# Altium PCB stencil V2.0.PcbDoc (part 1 of 4) (continued)
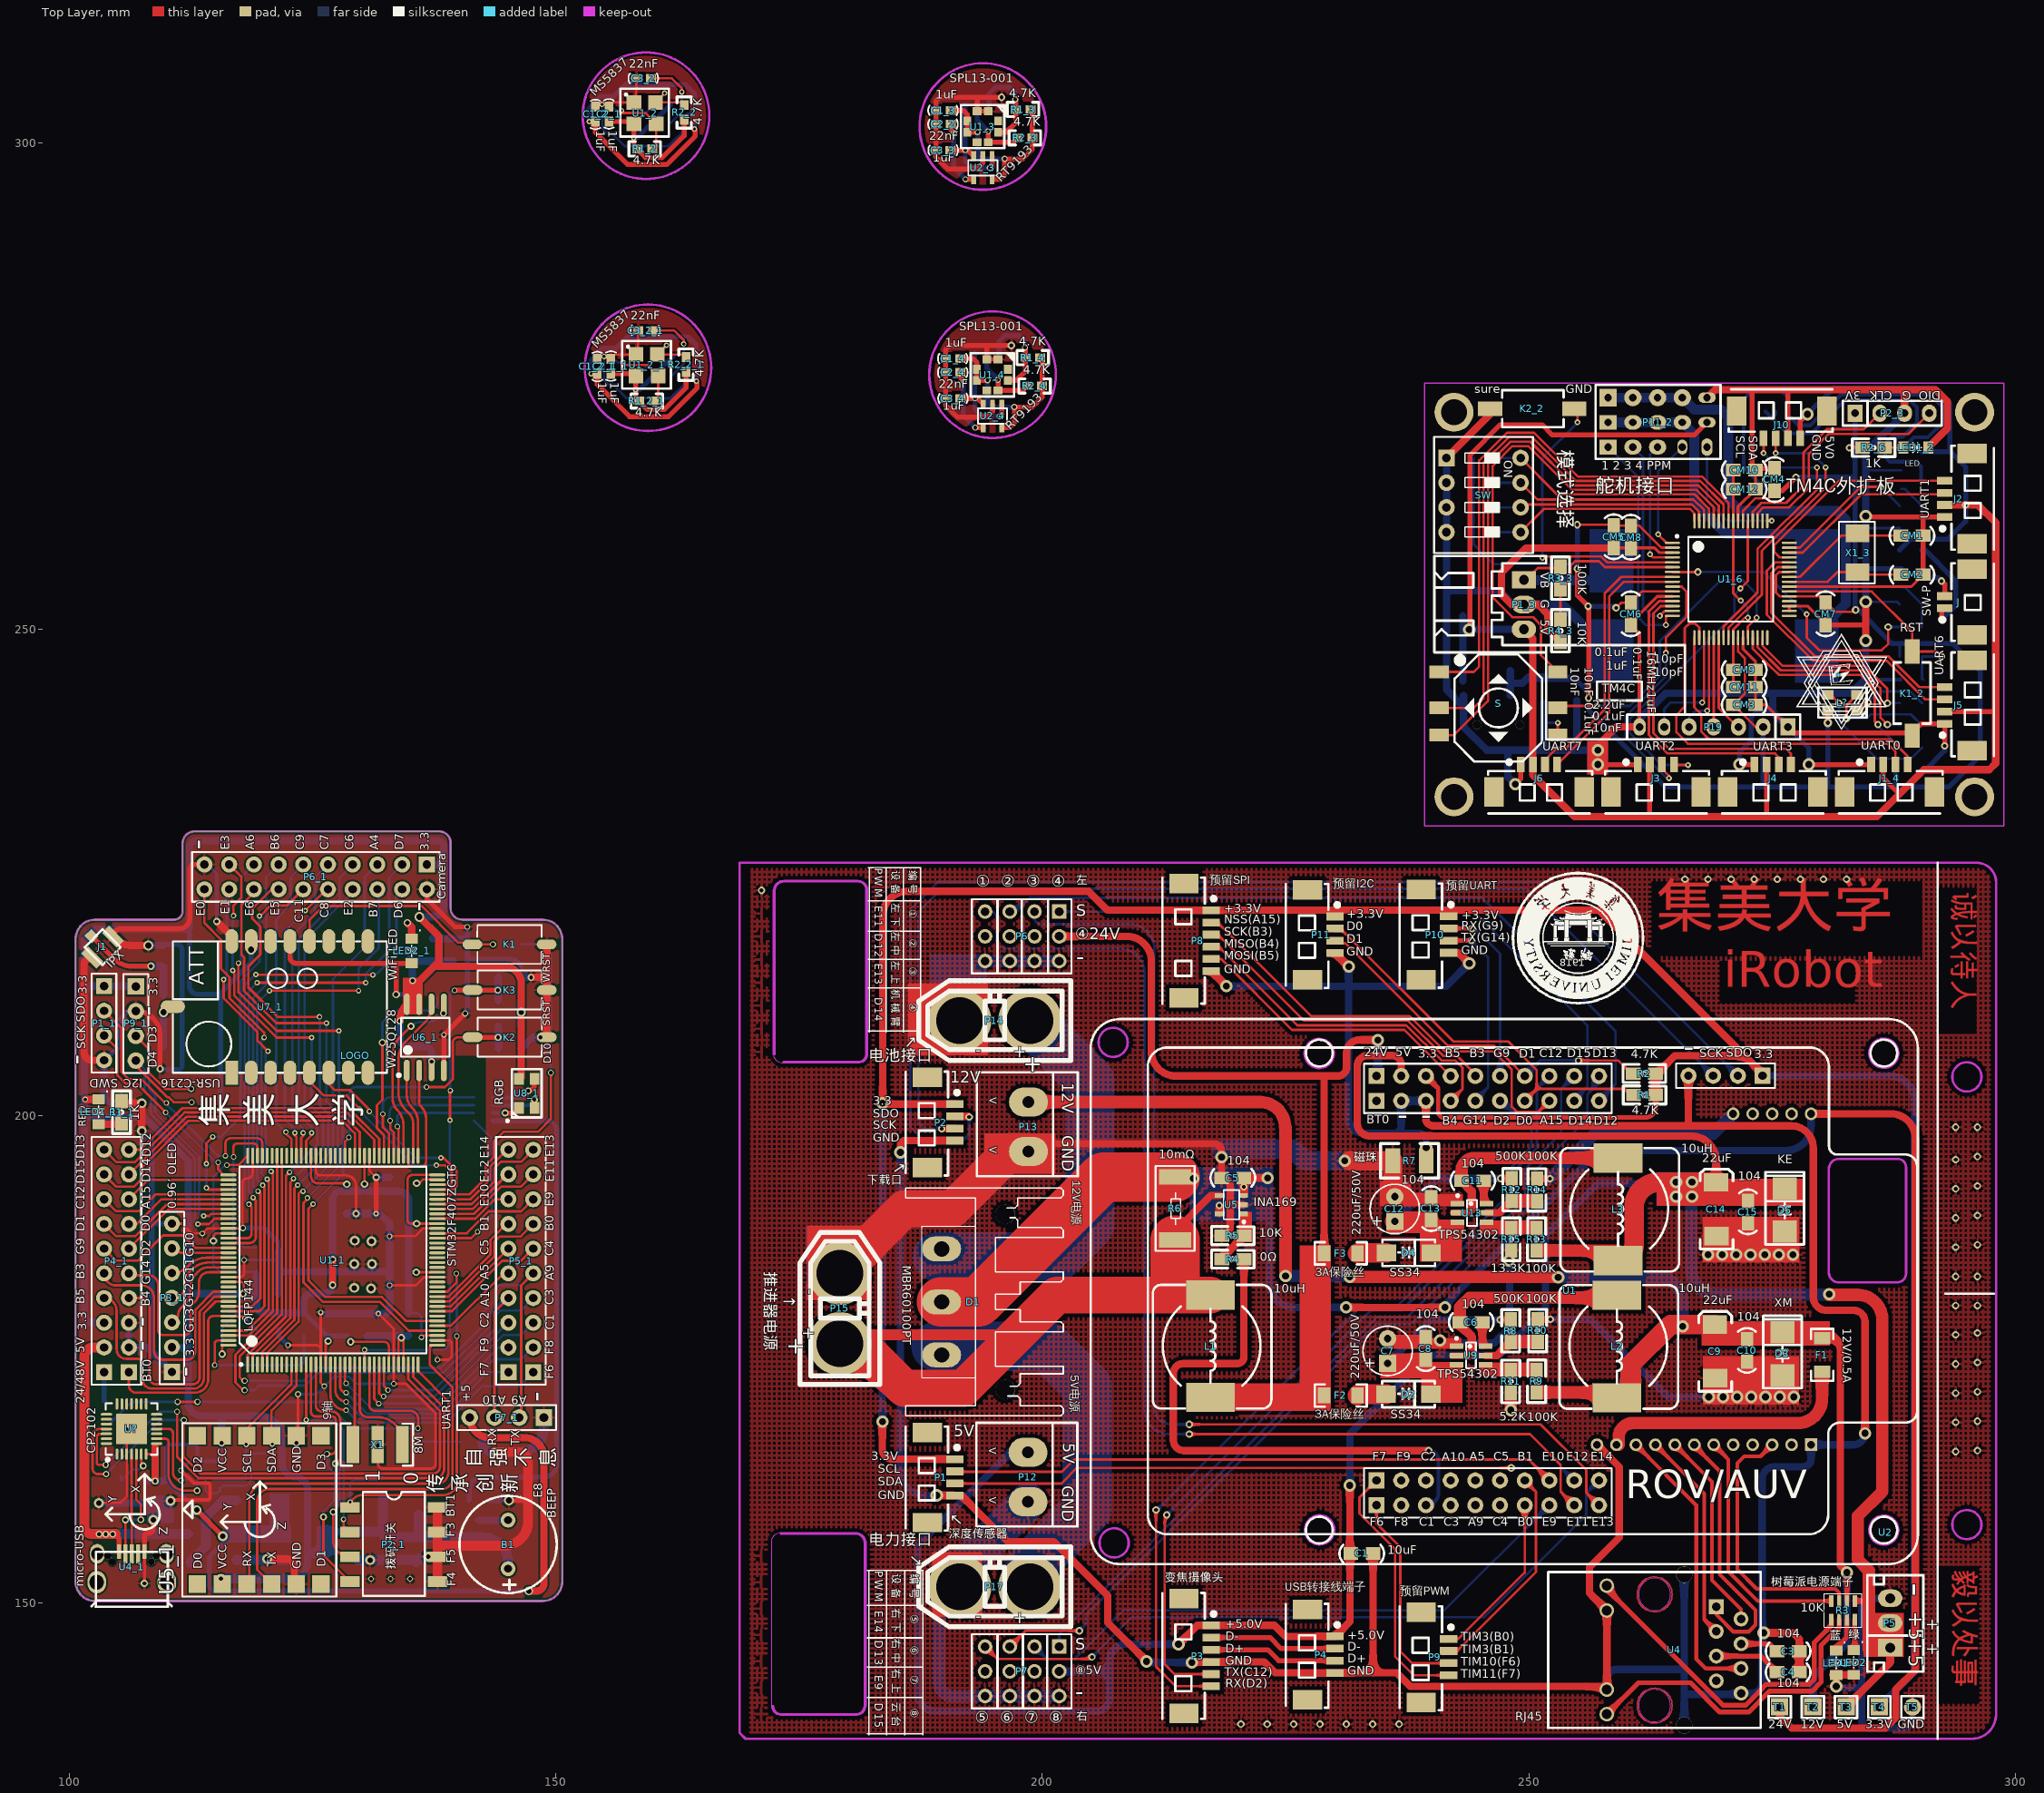
[diagram p0: Top Layer view]
## Components (designator, comment, footprint, x,y, rotation, side; value= is the part's Value field where it differs from the comment) (continued)
R6 "10mΩ" 2512R 213.67,187.274 r90 top
R6_1 "10K" 0805R#1 119.379,178.059 r0 bottom (schematic designator R6)
R6_3 "470R" 0805R#2 290.269,240.141 r180 bottom (schematic designator R6)
R7 "磁珠" 1210R 236.017,195.377 r0 top
R7_1 "10K" 0805R#1 132.264,162.854 r270 bottom (schematic designator R7)
R7_3 "470R" 0805R#2 290.269,242.432 r180 bottom (schematic designator R7)
R8 "500K" 0805R#1 248.157,176.886 r90 top
R8_1 "1K" 排阻(4位贴片) 143.483,201.885 r180 bottom (schematic designator R8)
R9 "100K" 0805R#1 250.773,173.761 r270 top
R9_1 "2M" 0805R#1 103.681,170.541 r270 bottom (schematic designator R9)
R9_3 "10K" 0805R#3 288.088,250.265 r0 bottom (schematic designator R9)
R10 "100K" 0805R#1 250.875,178.968 r270 top
R10_1 "200K" 0805R#1 140.308,166.502 r0 bottom (schematic designator R10)
R10_3 "10K" 0805R#3 288.088,252.56 r0 bottom (schematic designator R10)
R11 "5.2K" 0805R#1 248.157,171.679 r90 top
R11_1 "1K" 0805R#1 144.178,209.29 r0 bottom (schematic designator R11)
R11_3 "100R" 0805R#3 290.374,258.139 r180 bottom (schematic designator R11)
R12 "500K" 0805R#1 248.259,191.389 r90 top
R12_1 "1K" 0805R#1 146.235,211.764 r180 bottom (schematic designator R12)
R12_3 "10K" 0805R#3 246.584,267.588 r180 bottom (schematic designator R12)
R13 "100K" 0805R#1 250.773,188.341 r270 top
R13_1 "0R" 0805R#1 135.66,212.248 r0 bottom (schematic designator R13)
R13_3 "10K" 0805R#3 246.584,265.048 r180 bottom (schematic designator R13)
R14 "100K" 0805R#1 250.799,193.421 r270 top
R14_1 "0R" 0805R#3 144.22,217.633 r0 bottom (schematic designator R14)
R14_2 "10K" 0805R#3 246.584,262.508 r180 bottom (schematic designator R14)
R15 "13.3K" 0805R#1 248.208,186.284 r90 top
R15_1 "10K" 0805R#3 115.569,200.919 r180 bottom (schematic designator R15)
R15_3 "10K" 0805R#3 246.584,259.968 r180 bottom (schematic designator R15)
R16 "10K" 0805R#3 115.594,203.231 r180 bottom
R16_3 "10K" 0805R#3 288.088,262.669 r0 bottom (schematic designator R16)
R17_1 "10K" 0805R#3 288.088,260.375 r0 bottom (schematic designator R17)
R18_1 "100R" 0805R#3 288.088,268.249 r0 bottom (schematic designator R18)
S "5轴按键" 5轴按键 246.889,241.833 r0 top locked
SW "SW4-DIP8" DIP-4P_R 245.34,263.778 r270 top locked
T1 "24V" "HEADER 1"#1 275.895,139.268 r0 top
T2 "12V" "HEADER 1"#1 279.305,139.268 r0 top
T3 "5V" "HEADER 1"#1 282.715,139.268 r0 top
T4 "3.3V" "HEADER 1"#1 286.125,139.268 r0 top
T5 "GND" "HEADER 1"#2 289.535,139.268 r0 top
U0 "TPS7333" SOP-8 243.321,241.934 r0 bottom locked
U1 "ROV/AUV" ROV_CONTROLLER 247.091,183.896 r0 top locked
U1_1 "STM32F407ZGT6" LQFP-144 118.464,176.654 r90 top locked (schematic designator U1)
U1_2 "MS5837" MS5837-02BA 158.135,302.017 r0 top locked (schematic designator U?)
U1_2_1 "MS5837" MS5837-02BA 158.335,276.117 r0 top locked (schematic designator U?)
U1_3 "SPL13-001" SPL13-001 193.938,301.822 r0 top (schematic designator U1)
U1_4 "SPL13-001" SPL13-001 194.938,276.322 r0 top (schematic designator U1)
U1_6 "TM4C" LQFP64 270.74,255.117 r0 top locked (schematic designator U1)
U2 "" "Raspberry Pi 外框" 286.639,157.226 r180 top locked
U2_1 "TPS7333" SOP-8 121.741,153.853 r0 bottom (schematic designator U2)
U2_2 "RT9193" SOT23-5#1 164.231,303.917 r270 bottom (schematic designator U2)
U2_2_1 "RT9193" SOT23-5#1 164.431,278.017 r270 bottom (schematic designator U2)
U2_3 "RT9193" RT9193 194.838,298.596 r0 top (schematic designator U2)
U2_4 "RT9193" RT9193 195.838,273.096 r0 top (schematic designator U2)
U3 "电力载波模块" 电力载波模块6410 289.281,165.151 r90 bottom locked
U4 "RJ45" RJ45 262.89,139.192 r90 top
U4_1 "micro-USB" "Micro-USB (兼容牛角)" 103.148,154.869 r0 top (schematic designator U4)
U5 "INA169" SOT23-5#2 220.681,189.967 r90 top
U5_1 "9轴加速度计模块" 9轴加速度计 112.978,151.745 r90 top (schematic designator U5)
U6_1 "W25Q128" SOW-8 134.787,206.744 r90 top (schematic designator U6)
U7_1 "USR-C216" USR-C216 114.375,207.371 r90 top (schematic designator U7)
U8_1 "RGB" RGB-3528 147.794,203.783 r270 top (schematic designator U8)
U9 "TPS54302" SOT23-6 242.594,176.352 r0 top
U13 "TPS54302" SOT23-6 242.696,191.008 r0 top
U? "CP2102" QFN-28 104.494,165.918 r90 top
X1 "8M" 三脚贴片8M晶振 129.158,166.154 r90 top
X1_3 "16MHz" SMD5032 283.77,257.86 r270 top (schematic designator X1)

## Footprints (in the part's own frame and the unit in brackets; to place one, negate y for a bottom-side part, rotate by r counter-clockwise, add the part's x,y. Pads: shape width x height; smd on the part's side, far side on the other; paste and mask are expansions set on the pad)
5轴按键 [mm]
  rect 2x1.3 smd: 1(-6.128,3.778) 2(-6.128,0.078) 3(-6.128,-2.722) 4(6.072,3.778) 5(6.072,0.078) 6(6.072,-2.722)
  silkscreen extent -4.53,-5.42 4.47,5.58
9轴加速度计 [mil]
  rect 70x70 smd: 1(5.91,-7.81) 2(5.91,-107.81) 3(5.91,-207.81) 4(5.91,-307.81) 5(5.91,-407.81) 6(5.91,-507.81) 7(605.91,-507.81) 8(605.91,-407.81) 9(605.91,-307.81) 10(605.91,-207.81) 11(605.91,-107.81) 12(605.91,-7.81)
  silkscreen extent -44,-570 657,53, body extent -10,-570 622,55, height 87
0603C [mil]
  rect 40x35 smd: 1(-97,-282) 2(-37,-282)
  silkscreen extent -126,-302 -6,-262, body extent -117,-299 -14,-260, height 35
0603R [mil]
  rect 40x35 smd: 1(-2,-1) 2(58,-1)
  silkscreen extent -35,-30 92,28, body extent -5,-17 61,15, height 22
0805C#1 [mil]
  rect 60x50 smd: 1(-5,0) 2(85,0)
  silkscreen extent -50,-35 131,36, body extent -16,-26 102,29, height 37
0805C#2 [mil]
  rect 60x50 smd: 1(-0.71,-0.4) 2(89.29,-0.4)
  silkscreen extent -51,-45 139,45, body extent 6,-25 84,25, height 31
0805LED(GREEN) [mil]
  rect 40x50 smd: 1(-2,-2) 2(98,-2)
  silkscreen extent -36,-22 71,33, body extent 7,-27 87,23, height 43
0805LED(RED) [mil]
  rect 40x50 smd: 1(-2.98,-4.95) 2(97.02,-4.95)
  silkscreen extent -37,-25 70,31, body extent 13,-25 80,11, height 35
0805R#1 [mil]
  rect 60x50 smd: 1(-4.51,1.2) 2(85.49,1.2)
  silkscreen extent -46,-36 126,37, body extent -1,-23 78,26, height 18
0805R#2 [mil]
  rect 60x50 smd: 1(-4.51,-1.2) 2(85.49,-1.2)
  silkscreen extent -46,-37 126,36, body extent -1,-26 78,23, height 18
0805R#3 [mil]
  rect 60x50 smd: 1(0,0) 2(90,0)
  silkscreen extent -50,-45 140,45, body extent 1,-25 80,25, height 15
1206R [mil]
  rect 60x60 smd: 1(-65.9,1.2) 2(69.1,1.2)
  silkscreen extent -107,-49 110,52, body extent -63,-30 63,32, height 24
1210R [mil]
  rect 60x100 smd: 1(0,0) 2(135,0)
  silkscreen extent -50,-70 185,70, body extent -12,-49 146,49, height 67
2512R [mil]
  rect 61x129.92 smd: 1(-1.11,1) 2(253.89,1)
  silkscreen extent -45,-78 298,80, body extent 2,-64 251,62, height 24
BUZZER [mil]
  round 60 hole 32 mask+0: 1(-98.43,0) 2(98.43,0)
  silkscreen extent -197,-197 197,197, body extent -240,-236 233,236, height 354
CDRH124 [mm]
  rect 3x5 smd: 1(-2.469,2.159) 2(8.057,2.159)
  silkscreen extent -3.51,-3.76 9.19,8.43, body extent -3.11,-3.77 8.89,8.23, height 4.55
DIP-4P_R [mm] "11.7*9.9*7mm"
  rect 1.7x1.7 hole 0.9: 1(-3.81,-3.81)
  round 1.7 hole 0.9: 2(-1.27,-3.81) 3(1.27,-3.81) 4(3.81,-3.81) 5(3.81,3.81) 6(1.27,3.81) 7(-1.27,3.81) 8(-3.81,3.81)
  silkscreen extent -5.97,-5.08 5.97,5.08, body extent -5.84,-4.95 5.88,4.95, height 6.65
Fe-HDR1X7/2.54-S [mil]
  rect 70x60 hole 32: 1(0,0)
  oval 70x60 hole 32: 2(0,-100) 3(0,-200) 4(0,-300) 5(0,-400)
  oval 70x50 hole 32: 6(0,-500) 7(0,-600)
  silkscreen extent -50,-650 50,50, body extent -49,-655 49,55, height 126
FUSE-1206 [mil]
  rect 50x65 smd: 1(-1,-2) 2(134,-2)
  silkscreen extent -39,-47 172,43, body extent 1,-36 127,28, height 34
HEADER3*5 [mil]
  rect 60x70 hole 30: 1(2.41,201.12) 6(102.41,201.12)
  oval 60x70 hole 30: 2(2.41,101.12) 3(2.41,1.12) 7(102.41,101.12) 8(102.41,1.12) 9(102.41,-98.88)
  oval 60x40 hole 30: 4(2.41,-98.88)
  oval 70x45 hole 30: 5(2.41,-198.88)
  oval 42x70 hole 30: 10(102.41,-198.88) 15(202.41,-198.88)
  rect 70x70 hole 30: 11(202.41,201.12)
  round 70 hole 30: 12(202.41,101.12) 13(202.41,1.12) 14(202.41,-98.88)
  silkscreen extent -46,-254 253,252, body extent -49,-249 251,251, height 336
"HEADER 1"#1 [mil]
  rect 70x70 hole 35: 1(-5,0)
  silkscreen extent -50,-45 40,44
"HEADER 1"#2 [mil]
  round 70 hole 35: 1(-5,0)
  silkscreen extent -50,-45 40,44
"Header 4" [mil]
  rect 65x65 hole 34: 1(0.95,-0.93)
  round 65 hole 34: 2(0.95,-100.93) 3(0.95,-200.93) 4(0.95,-300.93)
  silkscreen extent -49,-351 51,49, body extent -51,-354 49,46, height 336
"Header 4(排母)" [mm]
  rect 1.7x1.7 hole 0.9: 1(0.035,0.015)
  round 1.7 hole 0.9: 2(2.575,0.015) 3(5.115,0.015) 4(7.655,0.015)
  silkscreen extent -1.23,-1.25 8.93,1.29, body extent -1.23,-1.25 8.93,1.29, height 8.5
"Header 4X3" [mm]
  rect 1.5x1.5 hole 0.9: 1(0.025,0)
  round 1.5 hole 0.9: 2(0.025,2.54) 3(0.025,5.08) 4(2.565,0) 5(2.565,2.54) 6(2.565,5.08) 7(5.105,0) 8(5.105,2.54) 9(5.105,5.08) 10(7.645,0) 11(7.645,2.54) 12(7.645,5.08)
  silkscreen extent -1.24,-1.27 9,6.35, body extent -1.24,-1.27 8.92,6.35, height 7.58
"Header 7" [mil]
  rect 65x65 hole 34: 1(0,301)
  round 65 hole 34: 2(0,201) 3(0,101) 4(0,1) 5(0,-98.8) 6(0,-198.8)
  round 65 hole 34 paste+0: 7(0,-298.61)
  silkscreen extent -50,-347 50,351, body extent -50,-349 50,351, height 336
"Header 10X2"#1 [mil]
  rect 65x65 hole 34: 1(-0.98,-0.2) 20(99.41,-0.2)
  round 65 hole 34: 2(-0.98,-100.2) 3(-0.98,-200.2) 4(-0.98,-300.2) 5(-0.98,-400) 6(-0.98,-500) 8(-0.98,-699.8) 10(-0.98,-900.2) 11(99.41,-900.2) 13(99.41,-699.8) 15(99.41,-500) 16(99.41,-400) 17(99.41,-300.2) 18(99.41,-200.2) 19(99.41,-100.2)
  round 65 hole 34 paste+0: 7(-0.98,-599.8) 9(-0.98,-800.2) 12(99.41,-800.2) 14(99.41,-599.8)
  silkscreen extent -51,-952 149,50, body extent -51,-950 149,50, height 114
"Header 10X2"#2 [mil]
  round 65 hole 34: 1(-0.98,-0.2) 2(-0.98,-100.2) 3(-0.98,-200.2) 4(-0.98,-300.2) 5(-0.98,-400) 6(-0.98,-500) 8(-0.98,-699.8) 10(-0.98,-900.2) 13(99.41,-699.8) 15(99.41,-500) 16(99.41,-400) 17(99.41,-300.2) 18(99.41,-200.2) 19(99.41,-100.2) 20(99.41,-0.2)
  round 65 hole 34 paste+0: 7(-0.98,-599.8) 9(-0.98,-800.2) 12(99.41,-800.2) 14(99.41,-599.8)
  rect 65x65 hole 34: 11(99.41,-900.2)
  silkscreen extent -51,-952 149,50, body extent -13,-948 493,52, height 201
IPX天线底座 [mm]
  rect 1.05x1 smd: 1(0.073,-0.048)
  rect 2.2x1.05 smd: 2(1.681,1.452) 3(1.681,-1.548)
  silkscreen extent 0.38,-1.35 2.98,1.25, body extent 0.15,-1.57 3,1.43, height 1.3
JMU_LOGO(1.35cm) [mm]
KF128-2P [mm]
  oval 3x4 hole 1.2: 1(0.134,0.024) 2(5.214,0.024)
  silkscreen extent -2.91,-5.28 7.75,5.1, body extent -2.91,-5.35 7.75,5.15, height 14.15
logo [mm]
  silkscreen extent -4.4,-5.49 4.95,4.39
LQFP64 [mm]
  oval 1.55x0.25 smd: 1(-5.992,3.754) 2(-5.992,3.254) 3(-5.992,2.753) 4(-5.992,2.254) 5(-5.992,1.754) 6(-5.992,1.254) 7(-5.992,0.754) 8(-5.992,0.253) 9(-5.992,-0.246) 10(-5.992,-0.746) 11(-5.992,-1.246) 12(-5.992,-1.746) 13(-5.992,-2.247) 14(-5.992,-2.746) 15(-5.992,-3.246) 16(-5.992,-3.746) 33(6.008,-3.746) 34(6.008,-3.246) 35(6.008,-2.746) 36(6.008,-2.247) 37(6.008,-1.746) 38(6.008,-1.246) 39(6.008,-0.746) 40(6.008,-0.246) 41(6.008,0.253) 42(6.008,0.754) 43(6.008,1.254) 44(6.008,1.754) 45(6.008,2.254) 46(6.008,2.753) 47(6.008,3.254) 48(6.008,3.754)
  oval 0.25x1.55 smd: 17(-3.742,-5.997) 18(-3.242,-5.997) 19(-2.742,-5.997) 20(-2.242,-5.997) 21(-1.742,-5.997) 22(-1.242,-5.997) 23(-0.742,-5.997) 24(-0.242,-5.997) 25(0.258,-5.997) 26(0.758,-5.997) 27(1.258,-5.997) 28(1.758,-5.997) 29(2.258,-5.997) 30(2.758,-5.997) 31(3.258,-5.997) 32(3.758,-5.997) 49(3.758,6.004) 50(3.258,6.004) 51(2.758,6.004) 52(2.258,6.004) 53(1.758,6.004) 54(1.258,6.004) 55(0.758,6.004) 56(0.258,6.004) 57(-0.242,6.004) 58(-0.742,6.004) 59(-1.242,6.004) 60(-1.742,6.004) 61(-2.242,6.004) 62(-2.742,6.004) 63(-3.242,6.004) 64(-3.742,6.004)
  silkscreen extent -5.64,-4.35 4.36,4.55, body extent -6.01,-6.01 6.01,6.01, height 1.5
LQFP-144 [mm]
  rect 1.651x0.3 smd: 1(-2.199,0.11)
  oval 1.651x0.3 smd: 2(-2.199,-0.39) 3(-2.199,-0.89) 4(-2.199,-1.39) 5(-2.199,-1.89) 6(-2.199,-2.39) 7(-2.199,-2.89) 8(-2.199,-3.39) 9(-2.199,-3.89) 10(-2.199,-4.39) 11(-2.199,-4.89) 12(-2.199,-5.39) 13(-2.199,-5.89) 14(-2.199,-6.39) 15(-2.199,-6.89) 16(-2.199,-7.39) 17(-2.199,-7.89) 18(-2.199,-8.39) 19(-2.199,-8.89) 20(-2.199,-9.39) 21(-2.199,-9.89) 22(-2.199,-10.39) 23(-2.199,-10.89) 24(-2.199,-11.39) 25(-2.199,-11.89) 26(-2.199,-12.39) 27(-2.199,-12.89) 28(-2.199,-13.39) 29(-2.199,-13.89) 30(-2.199,-14.39) 31(-2.199,-14.89) 32(-2.199,-15.39) 33(-2.199,-15.89) 34(-2.199,-16.39) 35(-2.199,-16.89) 36(-2.199,-17.39) 73(19.251,-17.39) 74(19.251,-16.89) 75(19.251,-16.39) 76(19.251,-15.89) 77(19.251,-15.39) 78(19.251,-14.89) 79(19.251,-14.39) 80(19.251,-13.89) 81(19.251,-13.39) 82(19.251,-12.89) 83(19.251,-12.39) 84(19.251,-11.89) 85(19.251,-11.39) 86(19.251,-10.89) 87(19.251,-10.39) 88(19.251,-9.89) 89(19.251,-9.39) 90(19.251,-8.89) 91(19.251,-8.39) 92(19.251,-7.89) 93(19.251,-7.39) 94(19.251,-6.89) 95(19.251,-6.39) 96(19.251,-5.89) 97(19.251,-5.39) 98(19.251,-4.89) 99(19.251,-4.39) 100(19.251,-3.89) 101(19.251,-3.39) 102(19.251,-2.89) 103(19.251,-2.39) 104(19.251,-1.89) 105(19.251,-1.39) 106(19.251,-0.89) 107(19.251,-0.39) 108(19.251,0.11)
  oval 0.3x1.651 smd: 37(-0.224,-19.365) 38(0.276,-19.365) 39(0.776,-19.365) 40(1.276,-19.365) 41(1.776,-19.365) 42(2.276,-19.365) 43(2.776,-19.365) 44(3.276,-19.365) 45(3.776,-19.365) 46(4.276,-19.365) 47(4.776,-19.365) 48(5.276,-19.365) 49(5.776,-19.365) 50(6.276,-19.365) 51(6.776,-19.365) 52(7.276,-19.365) 53(7.776,-19.365) 54(8.276,-19.365) 55(8.776,-19.365) 56(9.276,-19.365) 57(9.776,-19.365) 58(10.276,-19.365) 59(10.776,-19.365) 60(11.276,-19.365) 61(11.776,-19.365) 62(12.276,-19.365) 63(12.776,-19.365) 64(13.276,-19.365) 65(13.776,-19.365) 66(14.276,-19.365) 67(14.776,-19.365) 68(15.276,-19.365) 69(15.776,-19.365) 70(16.276,-19.365) 71(16.776,-19.365) 72(17.276,-19.365) 109(17.276,2.085) 110(16.776,2.085) 111(16.276,2.085) 112(15.776,2.085) 113(15.276,2.085) 114(14.776,2.085) 115(14.276,2.085) 116(13.776,2.085) 117(13.276,2.085) 118(12.776,2.085) 119(12.276,2.085) 120(11.776,2.085) 121(11.276,2.085) 122(10.776,2.085) 123(10.276,2.085) 124(9.776,2.085) 125(9.276,2.085) 126(8.776,2.085) 127(8.276,2.085) 128(7.776,2.085) 129(7.276,2.085) 130(6.776,2.085) 131(6.276,2.085) 132(5.776,2.085) 133(5.276,2.085) 134(4.776,2.085) 135(4.276,2.085) 136(3.776,2.085) 137(3.276,2.085) 138(2.776,2.085) 139(2.276,2.085) 140(1.776,2.085) 141(1.276,2.085) 142(0.776,2.085) 143(0.276,2.085) 144(-0.224,2.085)
  silkscreen extent -2.32,-18.24 18.13,0.96, body extent -2.47,-19.64 19.53,2.36, height 1.6
"Micro-USB (兼容牛角)" [mm]
  round 0.8 hole 0.8: 0(0.825,-0.025) 0(5.8,-0.025)
  oval 0.47x0.7 hole 0.7: 0(1.294,-0.69)
  round 0.7 hole 0.7: 0(5.294,-0.69)
  rect 0.4x1.5 smd: 1(1.994,0.359) 5(4.594,0.359)
  rect 0.4x1.95 smd: 2(2.644,0.135) 3(3.294,0.135) 4(3.944,0.135)
  oval 1.5x2 hole 1.3: 6(6.844,0.135) 7(-0.256,0.135)
  oval 1.9x2.3 hole 1.5: 8(-0.306,-2.786) 9(6.894,-2.786)
  silkscreen extent -0.83,-5.3 7.4,0.33, body extent -0.78,-5.34 7.42,0.09, height 0.23
MLT-9032 [mm]
  rect 3x2.5 smd: 1(4,0) 2(-4,0)
  silkscreen extent -4.5,-6 4.5,4.5, body extent -5,-6 5,4.5, height 3.21
MP1854底座 [mil]
  round 80 smd: 1(-1.57,-100) 1(-1.57,0) 2(-1.57,-520) 2(-1.57,-420) 3(728.43,-520) 3(728.43,-420) 4(728.43,-100) 4(728.43,0)
  silkscreen extent -72,-589 798,71
MS5837-02BA [mm]
  rect 1.5x1.5 smd: 1(-0.1,2.1) 2(-0.1,-0.1) 3(2.186,-0.1) 4(2.1,2.1)
  silkscreen extent -1.5,-1.4 3.5,3.5
MX1.25-4P [mm]
  rect 2x3 smd far side: 0(-80.07,20.701) 0(-70.806,20.701)
  rect 0.8x1.6 smd far side: 1(-73.549,23.512) 2(-74.799,23.512) 3(-76.049,23.512) 4(-77.299,23.512)
  body extent -80.44,18.74 -70.29,23.93, height 3.4
MX1.25S-4P [mm]
  rect 2.1x2.5 smd: 0(-4.632,-0.381) 0(4.604,-0.381)
  rect 0.8x1.3 smd: 1(-1.889,2.261) 2(-0.639,2.261) 3(0.611,2.261) 4(1.861,2.261)
  silkscreen extent -5.29,-1.78 5.27,2.99, body extent -5.02,-1.63 5.13,2.47, height 4.7
MX1.25WS-2P [mm]
  rect 2x3 smd: 0(-3.382,0) 0(3.382,0)
  rect 0.8x1.6 smd: 1(-0.639,2.811) 2(0.611,2.811)
  silkscreen extent -3.98,-2.23 4,3.25, body extent -3.88,-2.17 3.77,3.02, height 3.4
MX1.25WS-4P#1 [mm]
  rect 2x3 smd: 0(-4.632,0) 0(4.632,0)
  rect 0.8x1.6 smd: 1(-1.889,2.811) 2(-0.639,2.811) 3(0.611,2.811) 4(1.861,2.811)
  silkscreen extent -5.23,-2.23 5.45,3.25, body extent -5.15,-1.96 5,3.23, height 3.4
MX1.25WS-4P#2 [mm]
  rect 2x3 smd: 0(0.042,-0.076) 0(9.306,-0.076)
  rect 0.8x1.778 smd: 1(2.785,2.734) 2(4.035,2.734) 3(5.285,2.734) 4(6.535,2.734)
  silkscreen extent -0.56,-2.3 10.12,3.17, body extent -0.47,-2.04 9.68,3.15, height 3.4
MX1.25WS-6P [mm]
  rect 2x3 smd: 0(-0.065,-0.076) 0(11.699,-0.076)
  rect 0.8x1.778 smd: 1(2.678,2.734) 2(3.928,2.734) 3(5.178,2.734) 4(6.428,2.734) 5(7.678,2.734) 6(8.928,2.734)
  silkscreen extent -0.67,-2.3 12.27,3.17, body extent -0.43,-2.29 12.22,2.9, height 3.4
"Pin HDR1X4/2.54mm-S" [mil]
  rect 70x60 hole 32: 1(0,0)
  oval 70x60 hole 32: 2(0,-100) 3(0,-200) 4(0,-300)
  silkscreen extent -50,-350 50,50, body extent -50,-350 50,50, height 336
QFN-28 [mm] "CP2102  USB转串口芯片"
  rect 3.13x3.13 smd mask+0.051: 0(1.909,-1.918)
  oval 1.15x0.28 smd mask+0.051: 1(-0.668,-0.418) 2(-0.668,-0.918) 3(-0.668,-1.418) 4(-0.668,-1.918) 5(-0.668,-2.418) 6(-0.668,-2.918) 7(-0.668,-3.418) 15(4.486,-3.418) 16(4.486,-2.918) 17(4.486,-2.418) 18(4.486,-1.918) 19(4.486,-1.418) 20(4.486,-0.918) 21(4.486,-0.418)
  oval 0.28x1.15 smd mask+0.051: 8(0.409,-4.495) 9(0.909,-4.495) 10(1.409,-4.495) 11(1.909,-4.495) 12(2.409,-4.495) 13(2.909,-4.495) 14(3.409,-4.495) 22(3.409,0.66) 23(2.909,0.66) 24(2.409,0.66) 25(1.909,0.66) 26(1.409,0.66) 27(0.909,0.66) 28(0.409,0.66)
  silkscreen extent -1.39,-4.57 4.56,0.73, body extent -0.58,-4.42 4.42,0.58, height 1
"Raspberry Pi 外框" [mm]
  Keep-Out Layer circle w0.254: c58.14,-0.237 r1.5
  Keep-Out Layer circle w0.254: c58.191,-49.183 r1.5
  Keep-Out Layer circle w0.254: c0.177,-49.208 r1.5
  Keep-Out Layer circle w0.254: c0.177,-0.212 r1.5
  Keep-Out Layer board cut-out: 56.64,-0.237 56.754,0.337 57.079,0.824 57.566,1.149 58.14,1.263 58.14,1.263 58.714,1.149 59.201,0.824 59.526,0.337 59.64,-0.237 59.64,-0.237 59.526,-0.811 59.201,-1.298 58.714,-1.623 58.14,-1.737 58.14,-1.737 57.566,-1.623 57.079,-1.298 56.754,-0.811 56.64,-0.237
  Keep-Out Layer board cut-out: 56.691,-49.183 56.805,-48.609 57.13,-48.122 57.617,-47.797 58.191,-47.683 58.191,-47.683 58.765,-47.797 59.251,-48.122 59.577,-48.609 59.691,-49.183 59.691,-49.183 59.577,-49.757 59.251,-50.244 58.765,-50.569 58.191,-50.683 58.191,-50.683 57.617,-50.569 57.13,-50.244 56.805,-49.757 56.691,-49.183
  Keep-Out Layer board cut-out: -1.323,-49.208 -1.209,-48.634 -0.884,-48.148 -0.397,-47.822 0.177,-47.708 0.177,-47.708 0.751,-47.822 1.238,-48.148 1.563,-48.634 1.677,-49.208 1.677,-49.208 1.563,-49.782 1.238,-50.269 0.751,-50.594 0.177,-50.708 0.177,-50.708 -0.397,-50.594 -0.884,-50.269 -1.209,-49.782 -1.323,-49.208
  Keep-Out Layer board cut-out: -1.323,-0.212 -1.209,0.362 -0.884,0.849 -0.397,1.174 0.177,1.288 0.177,1.288 0.751,1.174 1.238,0.849 1.563,0.362 1.677,-0.212 1.677,-0.212 1.563,-0.786 1.238,-1.272 0.751,-1.597 0.177,-1.712 0.177,-1.712 -0.397,-1.597 -0.884,-1.272 -1.209,-0.786 -1.323,-0.212
  silkscreen extent -3.33,-52.72 81.67,3.28
RB.1.2 [mil]
  rect 70x70 hole 30: 1(0,0)
  round 70 hole 30: 2(100,0)
  silkscreen extent -50,-100 150,100, body extent -28,-73 130,85, height 278
RGB-3528 [mm]
  rect 1.2x1 smd: 1(-0.029,0.03) 2(-0.029,-1.57) 3(2.971,0.03) 4(2.971,-1.57)
  silkscreen extent -1.01,-2.3 3.95,0.76, body extent -0.32,-2.2 3.18,0.6, height 1.9
RJ45 [mm]
  rect 1.524x1.524 hole 0.889: 1(10.38,-6.369)
  round 1.524 hole 0.889: 2(9.11,-8.909) 3(7.84,-6.369) 4(6.57,-8.909) 5(5.3,-6.369) 6(4.03,-8.909) 7(2.76,-6.369) 8(1.49,-8.909)
  round 1.5 hole 1.02: 9(12.53,4.881) 10(9.994,4.881) 11(1.866,4.881) 12(-0.67,4.881)
  round 1.7 hole 1.65: 13(13.68,-3.067) 14(-1.82,-3.067)
  round 2.95 hole 3.25: MH3(0.214,-0.032) MH3(11.644,-0.032)
  Keep-Out Layer circle w0.051: c0.216,-0.019 r1.65
  Keep-Out Layer circle w0.051: c11.646,-0.019 r1.65
  Multi-Layer circle w0.127: c11.644,-0.032 r1.798
  Multi-Layer circle w0.127: c0.214,-0.032 r1.798
  silkscreen extent -2.07,-10.94 13.93,10.9, body extent -2.09,-10.6 13.79,10.8, height 14
ROV_CONTROLLER [mil]
  rect 65x65 hole 34: 1(-502.07,694.74) 20(-502.07,795.13) 41(-502.07,-941.03) 60(-502.07,-840.64) 61(1059.8,796.2)
  round 65 hole 34: 2(-402.07,694.74) 3(-302.07,694.74) 4(-202.07,694.74) 5(-102.27,694.74) 6(-2.27,694.74) 8(197.54,694.74) 10(397.93,694.74) 11(397.93,795.13) 13(197.54,795.13) 15(-2.27,795.13) 16(-102.27,795.13) 17(-202.07,795.13) 18(-302.07,795.13) 19(-402.07,795.13) 42(-402.07,-941.03) 43(-302.07,-941.03) 44(-202.07,-941.03) 45(-102.27,-941.03) 46(-2.27,-941.03) 48(197.54,-941.03) 50(397.93,-941.03) 51(397.93,-840.64) 53(197.54,-840.64) 55(-2.27,-840.64) 56(-102.27,-840.64) 57(-202.07,-840.64) 58(-302.07,-840.64) 59(-402.07,-840.64) 62(959.8,796.2) 63(859.8,796.2) 64(759.8,796.2)
  round 65 hole 34 paste+0: 7(97.54,694.74) 9(297.93,694.74) 12(297.93,795.13) 14(97.54,795.13) 47(97.54,-941.03) 49(297.93,-941.03) 52(297.93,-840.64) 54(97.54,-840.64)
  silkscreen extent -1427,-1058 1685,910, body extent -561,-989 1109,844, height 335
RT9193 [mm]
  rect 0.5x1 smd: 1(0,0) 2(-0.95,0) 3(-1.9,0) 4(-1.9,-2.4) 5(0,-2.4)
  silkscreen extent -2.45,-2 0.55,-0.4, body extent -2.4,-2.6 0.5,0.2, height 1.09
SMA/DO-214AC [mm]
  rect 2x1.75 smd: 1(-0.178,0.025) 2(4.422,0.025)
  silkscreen extent -0.58,-1.32 4.82,1.38, body extent -0.38,-1.32 4.73,1.35, height 2.12
SMBJ [mil] "TVS瞬态抑制二极管"
  rect 98x90 smd: 1(1.65,0.6) 2(1.65,-174.4)
  silkscreen extent -77,-240 80,52, body extent -50,-196 55,5, height 83
SMD5032 [mm] "5032"
  rect 1.8x2.4 smd: 1(-2,0) 2(2,0)
  silkscreen extent -3.18,-1.91 3.18,1.78, body extent -2.5,-1.6 2.5,1.6, height 1.3
SMD-3X6X4.3 [mm]
  rect 2.5x1.5 smd: 1(0,0) 3(8.636,0)
  silkscreen extent 1.11,-1.9 7.41,1.9, body extent -0.41,-1.78 8.79,1.72, height 4.4
SOP-8 [mm]
  oval 2.2x0.6 smd: 1(-0.038,0.025) 2(-0.038,-1.245) 3(-0.038,-2.515) 4(-0.038,-3.785) 5(4.762,-3.785) 6(4.762,-2.515) 7(4.762,-1.245) 8(4.762,0.025)
  silkscreen extent -0.12,-4.38 3.37,0.82, body extent -0.62,-4.33 5.38,0.58, height 1.7
SOT23-5#1 [mm]
  rect 0.5x1 smd: 1(0,0) 2(0.95,0) 3(1.9,0) 4(1.9,2.4) 5(0,2.4)
  silkscreen extent -0.55,0.4 2.45,2, body extent -0.5,-0.2 2.4,2.6, height 1.09
SOT23-5#2 [mm]
  rect 0.5x1 smd: 1(-0.051,0.051) 2(0.899,0.051) 3(1.849,0.051) 4(1.849,2.451) 5(-0.051,2.451)
  silkscreen extent -0.99,-0.15 2.4,2.05, body extent -0.55,-0.15 2.35,2.65, height 1.09
SOT23-6 [mm]
  rect 1.4x0.55 smd: 1(-0.051,-0.025) 2(-0.051,-0.975) 3(-0.051,-1.925) 4(2.949,-1.925) 5(2.949,-0.975) 6(2.949,-0.025)
  silkscreen extent -0.15,-2.31 1.96,0.91, body extent 0.07,-2.47 2.88,0.53, height 1.15
SOT-23#1 [mil]
  rect 36x36 smd: 1(-2.52,-5.16) 2(72.48,-5.16)
  rect 36x50 smd: 3(35.48,74.84)
  silkscreen extent -23,-10 92,80, body extent -22,-18 92,92, height 47
SOT-23#2 [mil]
  rect 36x36 smd: B(-35,-35) E(40,-35)
  rect 36x50 smd: C(3,45)
  silkscreen extent -55,-40 60,50, body extent -54,-48 60,62, height 47
SOW-8 [mm]
  oval 2.2x0.6 smd: 1(-2.078,0.092) 2(-2.078,-1.178) 3(-2.078,-2.448) 4(-2.078,-3.718) 5(4.722,-3.718) 6(4.722,-2.448) 7(4.722,-1.178) 8(4.722,0.092)
  silkscreen extent -2.73,-4.31 3.32,1.07, body extent -1.72,-4.35 4.32,0.67, height 1.6
SPL13-001 [mm]
  rect 0.9x0.8 smd: 1(0.508,1.397) 2(-0.635,1.397) 5(-0.635,-1.778) 6(0.508,-1.778)
  rect 0.8x0.9 smd: 3(-1.651,0.381) 4(-1.651,-0.762) 8(1.524,0.381)
  rect 0.8x0.9 smd paste+0: 7(1.524,-0.762)
  silkscreen extent -2.29,-2.41 2.16,2.03
TAJ-A [mil]
  rect 60x60 smd: 1(0,0) 2(-120,0)
  silkscreen extent -165,-45 49,45, body extent -125,-31 9,32, height 65
TAJ-B/3528 [mil]
  rect 78.74x100 smd: 1(-51.15,-4) 2(57,-4)
  silkscreen extent -110,-70 115,65, body extent -64,-60 74,50, height 75
TAJ-C [mm]
  rect 1.905x2.5 smd: 1(0,0) 2(-5.505,-0.025)
  silkscreen extent -6.86,-1.73 1.35,1.65, body extent -5.77,-1.68 0.22,1.52, height 2.6
TO-247LS [mm]
  round 2 hole 2: 0(-0.008,-0.02) 0(17.992,-0.02)
  oval 2.54x4 hole 1.575: 1(3.542,-6.552) 2(8.992,-6.552) 3(14.442,-6.552)
  silkscreen extent -2.71,-10.25 20.69,5.95, body extent -2.46,-10.33 20.44,6.07, height 30.62
USR-C216 [mm] "有人公司WIFI模组 USR-C216"
  rect 2.5x1.3 smd: 1(-2.945,-2.325)
  oval 2.5x1.3 smd: 2(-2.945,-4.325) 3(-2.945,-6.325) 4(-2.945,-8.325) 5(-2.945,-10.325) 6(-2.945,-12.325) 7(-2.945,-14.325) 8(-2.945,-16.325) 9(10.555,-16.325) 10(10.555,-14.325) 11(10.555,-12.325) 12(10.555,-10.325) 13(10.555,-8.325) 14(10.555,-6.325) 15(10.555,-4.325) 16(10.555,-2.325)
  oval 1.3x2.5 smd: 17(3.855,3.725)
  Top Layer pour cut-out: 4.611,3.725 4.611,-0.905 10.555,-0.905 10.555,3.725
  Top Layer pour cut-out: 0.015,2.305 0.891,2.131 1.634,1.634 2.131,0.891 2.305,0.015 2.305,0.015 2.13,-0.865 1.631,-1.611 0.885,-2.11 0.005,-2.285 0.005,-2.285 -0.015,-2.285 -0.891,-2.111 -1.634,-1.614 -2.131,-0.871 -2.305,0.005 -2.305,0.005 -2.305,0.025 -2.131,0.898 -1.637,1.637 -0.898,2.131 -0.025,2.305 -0.025,2.305
  Top Layer pour cut-out: 6.755,-6.035 7.138,-6.111 7.462,-6.328 7.679,-6.652 7.755,-7.035 7.755,-7.035 7.679,-7.418 7.462,-7.742 7.138,-7.959 6.755,-8.035 6.755,-8.035 6.372,-7.959 6.048,-7.742 5.831,-7.418 5.755,-7.035 5.755,-7.035 5.755,-7.025 5.83,-6.646 6.045,-6.325 6.366,-6.11 6.745,-6.035 6.745,-6.035
  Top Layer pour cut-out: 6.755,-9.085 7.138,-9.161 7.462,-9.378 7.679,-9.702 7.755,-10.085 7.755,-10.085 7.755,-10.105 7.679,-10.488 7.462,-10.812 7.138,-11.029 6.755,-11.105 6.755,-11.105 6.372,-11.029 6.048,-10.812 5.831,-10.488 5.755,-10.105 5.755,-10.105 5.755,-10.085 5.831,-9.702 6.048,-9.378 6.372,-9.161 6.755,-9.085
  silkscreen extent -2.94,-18.28 10.56,3.72, body extent -3.04,-18.19 10.53,3.72, height 2.2
XH3/2.54mm/90 [mm]
  rect 1.8x2.5 hole 1: 1(0,0)
  oval 1.8x2.5 hole 1: 2(2.54,0) 3(5.08,0)
  silkscreen extent -2.45,-9.2 7.45,2.3, body extent -2.45,-9.2 7.45,2.3, height 6.1
XH3/2.54mm/180 [mm]
  rect 1.8x2.5 hole 1: 1(-0.045,0.08)
  oval 1.8x2.5 hole 1: 2(2.495,0.08) 3(5.035,0.08)
  silkscreen extent -2.5,-3.32 7.4,2.43, body extent -2.5,-3.32 7.4,2.43, height 7
XT60-F [mm]
  round 6.5 hole 4.8: 1(0.489,0) 2(7.689,0)
  silkscreen extent -3.71,-4.1 11.89,4.1, body extent -3.81,-4.06 12.09,4.09, height 16.5
三脚贴片8M晶振 [mm] "CSTCC8M00G53-RO"
  rect 3.8x1.27 smd: 1(0.06,-0.006) 2(0.06,-5.086) 3(0.06,-2.546)
  silkscreen extent -2.1,-6.18 2.24,1.26, body extent -1.72,-6.23 1.84,1.26, height 1.5
拨码开关(4位贴片) [mm]
  rect 2x1.1 smd: 1(-0.103,0.121) 2(-0.103,-2.419) 3(-0.103,-4.959) 4(-0.103,-7.499) 5(8.897,-7.499) 6(8.897,-4.959) 7(8.897,-2.419) 8(8.897,0.121)
  silkscreen extent 1.24,-8.97 7.59,1.7, body extent 0.99,-8.71 7.85,1.57, height 2.15
排阻(4位贴片) [mm]
  rect 1.22x0.45 smd: 1(-0.051,0.013) 2(1.869,0.013) 3(-0.051,-0.787) 4(1.869,-0.787) 5(-0.051,-1.587) 6(1.869,-1.587) 7(-0.051,-2.387) 8(1.869,-2.387)
  silkscreen extent -0.81,-3.14 2.64,0.76, body extent 0.1,-2.79 1.7,0.41, height 0.59
电力载波模块6410 [mm]
  round 1.3 hole 0.8: 0(35.059,-16.289) 2(1.059,-12.289) 3(1.059,-14.289) 4(1.059,-16.289) 5(1.059,-18.289) 6(1.059,-20.289) 7(1.059,-22.289) 8(1.059,-24.289) 9(1.059,-26.289) 10(1.059,-28.289) 11(1.059,-30.289) 12(1.059,-32.289) 13(35.059,-18.289) 14(35.059,-14.289) 15(35.059,-12.289) 16(35.059,-10.289)
  rect 1.3x1.3 hole 0.8: 1(1.059,-10.289)
  Keep-Out Layer board cut-out: 17.729,-7.417 17.729,-1.46 17.8,-1.106 18.001,-0.805 18.301,-0.604 18.656,-0.533 18.656,-0.533 29.567,-0.533 29.567,-0.533 29.998,-0.649 30.314,-0.965 30.429,-1.396 30.429,-1.396 30.429,-7.404 30.349,-7.808 30.121,-8.15 29.779,-8.378 29.375,-8.458 29.375,-8.458 18.771,-8.458 18.372,-8.379 18.034,-8.153 17.808,-7.815 17.729,-7.417
  Keep-Out Layer lines w0.254: 18.771,-8.458 cw(c18.771,-7.417) 17.729,-7.417 17.729,-1.46 cw(c18.656,-1.46) 18.656,-0.533 29.567,-0.533 cw(c29.567,-1.396) 30.429,-1.396 30.429,-7.404 cw(c29.375,-7.404) 29.375,-8.458 18.771,-8.458
  silkscreen extent -0.5,-38.5 36.5,0, body extent -0.15,-33.42 36.3,-8.87, height 4.35
贴片按键 [mil]
  oval 80x40 smd: 1(-5.71,2.8) 2(294.29,2.8)
  silkscreen extent 14,-76 274,82, body extent 24,-69 264,77, height 98